# KiCad board Rogelio Pineda part 8-AMLDC-2044B.kicad_pcb (continued)
## Routing (per net, layer and track width the routed paths; a pad name or vN(x,y) marks a point on that pad's centre or on a via; arc(x,y) is an arc through that point) (continued)
M2p6: length 202.3
  Top w0.15: 178.52,68.63 178.5,68.64 ; 178.5,68.64 178.5,71.91 178.51,73.4 178.23,76.15 178.04,77.86 177.83,89.2 177.7,94.91 177.47,98.32 177.27,99.65 177.14,100.54 176.76,104.17 176.79,105.82 176.84,106.76 176.85,107.16 177.41,110.64 177.5,111.89 177.58,112.46 177.57,112.47 177.69,115.57 178.1,121.56 178.03,124.34 178.09,125.51 178.11,126.66 177.86,136.82 178.04,145.48 178.05,145.5 178.05,149.02 178.12,151.6 178.46,161.21 178.72,163.64 178.67,163.69 178.79,165.69 178.59,167.79 178.33,170.36 178.02,175.64 178.05,182.14 178.12,183.16 178.32,190.34 178.43,192.04 178.51,195.08 178.77,196.58 178.87,198.91 179.18,200.34 179.23,201.25 179.39,202.67 179.13,204.83 179.03,206.27 179.08,207.21 179.28,207.83 179.81,208.36 v1(179.81,208.49) ; 178.5,68.64 178.24,66.96 177.82,64.12 177.37,62.1 176.73,59.94 176.35,59.24 v1(176.09,58.04)
  Bottom w0.15: UM2.6 200.85,205.98 200.18,206.64 199.71,207.04 199.11,207.29 197.81,207.54 196.1,207.61 195.9,207.61 192.23,207.68 191.77,207.71 191.27,207.69 186.82,207.74 185.12,207.78 183.77,207.85 182.21,208.13 181.61,208.28 180.88,208.39 180.33,208.41 v1(179.81,208.49) ; 150.71,55.38 150.79,57 151.06,57.33 151.61,57.61 151.85,57.65 152.9,57.78 153.69,57.81 154.74,57.8 156.34,57.81 159.89,57.9 161.08,58.03 163.09,58.35 164.85,58.65 166.69,59.01 167.73,59.12 168.87,59.07 170.12,58.95 172.57,58.36 174.03,57.92 175.37,57.71 v1(176.09,58.04)
M2p9: length 122.9
  Top w0.15: UN5.10 313.53,195.69 313.38,196.43 312.91,197.03 312.81,197.3 312.33,197.77 311.91,197.97 311.47,198.29 310.63,198.63 309.2,199.38 308.36,200.01 307.94,200.73 307.86,200.97 307.49,202.23 307.44,206.34 307.58,207.1 307.86,207.52 308.58,207.62 309.24,207.53 309.56,207.25 309.84,206.83 v1(309.86,206.81) 309.89,206.83 309.96,206.83
  Bottom w0.15: UM2.9 208.78,210.71 211.57,209.35 214.85,208.67 216.7,208.3 219.04,207.82 222.03,207.89 227.35,207.86 228.17,207.81 231.61,207.89 232.68,207.97 234.92,208.11 239.39,208.62 240,208.74 244.74,208.83 247.47,208.78 254.11,208.87 258.19,208.84 258.02,208.8 258.58,208.84 262.36,208.84 262.89,208.77 266.08,208.39 268.17,208.14 269.35,207.86 270.7,207.53 272.92,206.99 274.42,206.85 278.9,206.82 292.82,206.64 308.56,206.81 309.86,206.81 v1(309.86,206.81)
M3p1: length 48.1
  Bottom w0.15: 230.32,206.15 230.39,206.23 230.4,206.23 ; 230.32,206.15 228.82,204.65 UM3.1 ; 230.32,206.15 231.46,206.83 233.66,207 236.37,207.16 237.73,207.52 242.5,207.84 245.27,207.78 252.53,207.71 254.53,207.76 260.95,207.8 262.66,207.68 266.84,207.11 268.8,206.89 269.82,206.72 270.68,206.32 271.22,205.51 UM4.5 UM4.6
M3p4: length 30.1
  Bottom w0.15: UM3.4 237.08,205.26 237.46,205.85 238.24,206.43 240,206.79 242.36,206.8 244.13,206.82 244.83,206.79 254.4,206.71 258.52,206.81 261.05,206.85 261.74,206.86 262.85,206.6 263.62,205.88 263.62,205.63 263.61,205.63 UM4.2
M3p9: length 25.7
  Bottom w0.15: UM4.12 265.8,211.07 265.04,210.68 265.03,210.67 263.75,210.59 262.55,210.57 260.1,210.64 258.47,210.65 254.41,210.76 253.8,210.8 251.84,210.87 248.14,210.72 244.06,210.63 243.55,210.7 242.81,211.04 241.77,211.92 UM3.9
M3p12: length 41.4
  Bottom w0.15: UM4.9 273.36,211.13 273.01,210.83 272.75,210.62 272.13,210.21 270.97,209.97 264.63,209.89 264.15,209.87 262.42,209.82 257.84,209.79 256.35,209.9 255.54,209.84 253.12,209.84 252.42,209.81 251.26,209.88 243.78,209.87 240.59,209.6 239.21,209.51 236.81,210.15 235.57,210.88 235.1,211.31 234.2,211.92 UM3.12
M5p5: length 12.4
  Top w0.15: UM5.5 308.97,204.01 309.12,203.29 309.46,202.5 309.55,202.29 309.81,201.97 310.53,201.19 310.96,200.85 311.22,200.61 312.08,199.93 312.72,199.48 313.55,198.95 313.94,198.64 314.54,198.09 314.79,197.85 315.28,197.29 315.39,197.17 315.97,196.56 316.12,195.64 UN5.9
M5p9: length 121.7
  Top w0.15: 320.5,194.85 320.55,194.8 ; 320.55,194.8 320.34,191.57 320.37,190.83 320.27,187.79 320.11,186.38 320.05,184.76 319.77,182.23 319.47,180.67 319.38,179.54 319.18,178.28 319.09,177.03 318.86,175.71 318.68,174.47 318.57,172.92 318.48,172.08 318.37,166.87 318.14,160.19 317.98,133.68 317.93,132.16 317.92,130.24 317.87,129.31 317.76,124.81 317.81,123.33 317.76,118.17 ; 320.55,194.8 320.63,200.26 320.66,201.14 320.83,207.32 320.56,208.69 320.44,209.6 320.18,210.76 319.79,212.59 319.37,213.65 v1(319.01,214.32)
  Top w0.2: 317.76,118.17 317.58,106.85 318.15,105.99 318.72,105.4 320.39,104.25 v1(320.45,104.25)
  Bottom w0.15: v1(319.01,214.32) 318.93,214.32 318.22,214.51 ; UM5.9 311.2,213.29 311.9,214.28 312.67,214.61 313.16,214.65 313.56,214.66 314.4,214.66 316.5,214.67 318.18,214.52
M6p2: length 5.1
  Bottom w0.15: UM6.2 UM6.3 UM6.4
M6p6: length 42.1
  Bottom w0.15: UM6.6 355.68,203.56 355.87,202.94 356.33,202.43 356.74,202.13 357.15,201.82 357.85,201.4 367.38,200.96 369.01,200.72 369.79,200.54 370.81,200.54 372.73,200.31 373.49,200.29 374.8,200.05 376.76,199.87 381.68,199.48 382.75,199.52 383.7,199.5 384.83,199.47 385.66,199.41 388.93,199.37 389.87,199.1 391.13,198.6 391.98,197.96 393.23,196.5 393.49,196.22 393.88,195.69 UN7.8
M6p8: length 23.3
  Top w0.15: UN6.13 345.66,196.32 346.49,197.8 347.52,198.1 347.77,198.18 348.83,198.33 349.83,198.54 350.51,198.8 351.13,199.2 351.29,199.65 351.45,200.15 351.68,200.96 351.86,202.36 351.95,206.2 352.45,207.1 352.71,207.47 353.35,208.2 353.92,208.61 354.95,209.01 356.46,210.11 356.95,210.52 UM6.8
M6p11: length 2.5
  Bottom w0.15: UM6.11 UM6.10
M7p5: length 122.4
  Top w0.15: 373.42,100.26 v1(373.38,100.51) 373.46,118.04 373.38,119.86 373.5,122.19 373.18,134.42 373.17,135.96 373.08,147.36 373.08,149.54 372.94,161.42 372.97,162.54 373.24,167.83 373.52,169.65 373.57,172.74 373.6,173.68 373.71,176.1 373.73,177.81 373.84,179.69 373.93,183.38 374.11,185.81 374.11,187.57 374.16,189.26 374.21,192.41 374.16,194.17 374.01,199.49 373.96,200.55 373.91,201.5 373.86,202.57 373.76,204.49 373.62,205.13 v1(373.46,205.6)
  Bottom w0.15: v1(373.46,205.6) 374.08,205.67 376.42,205.85 377.15,205.98 378.37,205.99 379.13,206.14 381.23,206.36 382.17,206.41 385.11,206.54 386.75,206.19 387.69,205.25 UM7.5
M7p6: length 9.3
  Top w0.15: UM7.6 392.03,202.9 391.82,202.47 391.52,201.89 390.82,199.74 390.39,198.39 390.05,197.56 389.77,196.87 389.49,196.11 UN7.10
M8p10: length 10.2
  Bottom w0.15: 439.42,213.92 v1(439.38,213.92) 434.45,214.1 433.86,214.18 432.58,214.05 431.74,213.57 431.23,212.92 UM8.10
N0p2: length 289.4
  Top w0.25: 111.88,201.08 111.85,201.05 v1(111.72,201.05) 111.72,200.92 111.71,200.92 111.7,190.83 112.76,189.04 UN0.2
  Bottom w0.15: v1(111.72,201.05) 112.48,200.8 115.44,201.04 121.16,201.3 123.31,201.25 124.19,201.06 126.65,200.57 129.33,199.19 131.54,198.03 135.07,196.34 137.27,195.26 139.97,194.19 144.2,193.71 148,193.52 155.01,193.12 156.98,192.8 160.23,192.38 161.71,192.18 166.13,192.11 168.5,192.65 171.16,193.81 173.37,194.95 175.32,195.94 177.91,196.95 183.7,197.87 184.95,198.09 207.12,198.2 210.8,197.7 213.71,197.55 214.71,197.41 222.13,197.23 224.51,197.69 228.2,198.33 229.92,198.58 234.21,199.34 236.45,199.75 239.02,200.15 241.13,200.33 243.79,200.36 247.38,199.94 251.96,199.11 257.94,199.17 267.51,199.76 280.07,199.69 281.54,200.05 283.97,200.64 285.42,201.05 287.07,201.54 288.91,202.26 289.57,202.25 290.53,202.18 292.82,201.17 294.11,200.75 294.73,200.5 295.55,200.25 296.64,199.91 298.31,199.64 299.32,199.61 310.28,199.28 311.59,199.22 317.21,199.12 317.45,199.09 317.73,199.1 323.99,198.92 325.69,198.89 328.9,198.93 330.09,199.23 332.57,199.45 333.58,199.57 337.81,199.67 338.66,199.65 355.67,199.83 356.59,199.86 363.82,199.88 364.56,199.85 365.18,199.44 367.81,199.37 369.51,199.19 371.95,199 372.64,198.87 375.16,198.6 375.35,198.55 376.74,198.27 378.49,197.83 379.26,197.58 380.15,197.07 380.98,196.32 UN7.13
N0p6: length 108.9
  Top w0.15: UN1.2 151.03,189.08 151.35,189.48 151.39,190.55 151.85,191.91 152.1,194.71 152.21,196.36 152.21,199.2 152.57,200.95 152.96,202.1 UM1.3 152.82,206.12 152.46,207.12 152.28,208.09 152.18,209.24 152.18,210.03 152.2,215.03 152.28,216.02 152.57,217.81 152.86,218.78 UL1.3
  Bottom w0.15: UN2.2 190.78,188.9 190.07,189.73 189.22,190.04 188.18,189.94 ; UN1.2 151.34,186.32 151.34,185.31 ; 151.34,185.31 149.06,185.44 144.57,185.62 140.17,186.36 135.25,187.87 132.52,188.76 127.25,190.34 125.35,190.14 123.98,189.41 UN0.6 ; 151.34,185.31 152.33,185.21 156.12,184.39 157.91,184.21 160.45,183.74 162.25,183.4 164.82,183.39 166.59,183.6 168.3,184.03 170.83,185.07 174.09,186.48 177.2,187.53 179.62,188.43 184.58,189.5 186.86,189.96 187.41,189.91 188.41,189.94
N0p8: length 117.3
  Top w0.15: 154.62,198.26 154.71,197.6 154.71,194.41 154.61,194.32 154.61,191.95 ; 154.61,198.19 154.69,200.85 154.61,201.42 154.83,203.89 154.74,203.99 154.74,205.95 154.54,206.3 154.51,206.37 154.51,208.67 155.05,210.14 UM1.11 155.33,214.12 154.94,215.09 154.76,217.56 154.69,217.63 154.69,222.62 154.58,222.73 154.69,223.26 154.76,225.45 155.58,227.42 UL1.11 ; 154.61,192.09 154.51,190.84 153.86,189.55 153.24,188.89 UN1.3
  Bottom w0.15: UN2.3 193.42,189.26 192.48,190.42 191.18,191 189.43,191.21 185.15,191.22 183.12,191.1 180.54,190.48 178.12,189.46 174.96,188.27 171.7,186.74 169.99,185.97 168.68,185.41 168.03,185.1 166.91,184.64 164.51,184.44 163.73,184.48 162.2,184.59 157.91,185.28 155.67,185.43 154.33,186.08 153.64,186.6 UN1.3 152.87,188.86 152.49,189.24 151.3,189.97 147.8,190.09 147.09,190.05 146.2,190.08 136.73,190.11 135.08,190.12 134.1,190.38 131.28,191.65 129.79,192.76 128.31,193.66 UN0.8
N0p10: length 141.9
  Top w0.15: 161.37,186.14 161.34,186.24 ; 161.34,186.24 161.15,186.72 UN1.6 ; 161.34,186.24 161.72,185.7 162.39,185.32 163.14,185.33 163.26,185.35 163.64,185.5 ; 159.59,223.01 159.08,225.99 158.69,227.12 UL1.10 ; 163.64,185.5 163.51,185.46 ; 163.64,185.5 164.14,185.75 164.81,186.69 164.61,190.67 164.64,191.51 164.58,197.34 163.74,199.12 162.73,200.35 162.18,202.42 162.12,206.44 162.02,206.53 161.96,207.63 161.21,208.48 159.69,210.45 UM1.10 158.69,213.3 159.2,214.89 159.59,216.67 159.72,218.19 159.57,223.17
  Bottom w0.15: UN2.6 201.07,189.19 200.39,190.16 199.17,191.1 197.54,191.53 196.41,191.79 195.28,191.97 193.6,192.13 192.83,192.23 191.73,192.31 184.21,192.3 183.78,192.32 182.98,192.31 179.05,191.89 177.26,191.44 175.48,190.52 174.06,189.71 172.01,188.51 167.92,185.92 164.76,185.32 163.69,185.43 162.78,185.56 162.06,185.79 161.28,186.44 UN1.6 160.89,188.7 159.92,189.54 158.92,190.27 158.35,190.35 155.37,190.63 154.65,190.73 153.89,190.97 152.18,191.08 139.54,191.19 137.99,191.18 135.66,191.27 133.47,192.21 132.7,192.65 127.08,197.76 126.05,198.18 124.72,198.28 122.29,198.09 121.12,197.39 UN0.10
N0p12: length 134.4
  Top w0.15: UN1.7 162.75,189.34 162.31,189.84 162.14,190.15 161.43,190.76 160.91,191.35 159.89,192.15 159.77,193.35 159.46,199.12 ; 159.39,199.17 158.76,200.51 158.49,201.14 157.61,202.31 157.09,203.03 UM1.4 156.78,207.42 157.22,209.04 157.31,210.01 157.24,210.6 157.11,213.52 157.11,215.13 157.15,215.17 157.15,217.34 156.82,218.72 156.47,219.64 155.81,220.46 UL1.4
  Bottom w0.15: 163.75,190.39 162.96,190.35 161.83,190.35 156.54,191.85 152.97,192.25 146.45,192.28 144.89,192.18 136.13,192.53 133.31,193.69 131.9,194.74 127.67,198.5 125.89,199.27 125.39,199.39 121.27,199.31 119.76,198.9 117.93,198.37 116.52,197.65 115.74,196.92 UN0.12 ; 163.75,190.39 164.89,190.43 165.2,190.35 166.82,190.51 168.2,190.55 170.32,190.92 172.86,191.52 176.94,192.55 178.99,193.17 182.12,193.41 183.3,193.36 191.85,193.37 198.55,192.53 201.17,191.92 202.09,191.19 203.08,190.18 203.65,189.15 UN2.7 ; 163.75,190.39 163.61,188.9 ; UN1.7 163.61,187.96 163.61,188.9 ; 163.61,188.9 163.59,188.89
N1p4: length 519.7
  Top w0.15: 253.02,46.3 v1(252.9,46.4) 252.88,46.87 252.44,48.35 251.34,52.58 251.22,53.63 250.83,56.61 250.15,59.48 249.93,61.67 249.71,63.05 249.72,64.98 249.65,66.98 249.83,68.03 249.99,78.9 250.03,78.94 250.03,88.07 250.16,91.33 250.41,100.43 250.39,100.45 250.46,110.21 250.62,116.82 251.01,122.15 251.13,123.28 251.22,124.84 251.17,127.06 250.76,130.09 250.64,131.61 250.58,132.85 250.52,135.29 250.51,139.42 250.49,144.31 250.22,154.81 250.11,160.81 250.49,162.17 250.89,163.61 251.76,166.15 252,168 252.24,169.57 252.27,174.11 252.29,178.03 252.24,180.32 v1(252,183.79) ; 149.45,44.45 v1(149.41,44.51) 153.17,44.67 154.31,44.85 154.39,44.85 154.91,45.32 155.51,46.03 155.63,46.45 155.79,47.76 155.7,50.69 155.75,55.25 ; UW4.13 UW4.4 ; UN4.4 269.1,187.79 269.2,192.5 ; 142.37,195.57 142.37,195.5 v1(142.41,195.46) 142.51,185.84 142.56,184.85 142.52,184.31 142.49,160.79 142.01,159.06 141.29,157.12 140.49,155.67 140.26,154.54 139.8,153.08 139.62,141.47 139.56,140.51 139.45,134.12 139.56,134.01 139.56,115.7 v1(139.61,115.66) 139.56,115.61 139.56,114.9 139.65,112.22 139.78,93.41 140.12,92.4 140.53,91.56 141.07,90.62 140.96,72.79 140.93,70.46 140.87,68.98 140.89,68.08 140.91,67.49 140.85,67.09 140.95,65.91 140.83,65 140.57,64.1 140.17,62.82 139.66,61.59 139.26,60.56 139.24,60.56 139.14,59.75 138.95,59.04 139.01,58.06 138.95,57.54 138.93,57.17 139.1,56.15 139.23,55.28 139.32,54.4 139.39,53.93 139.68,52.9 139.89,51.58 140.09,50.78 140.22,49.95 140.49,48.96 R78.1 ; 156.26,201.47 v1(156.23,201.47) 156.17,199.19 156.08,198.07 155.99,197.31 155.77,196.59 155.78,196.56 UN1.13 155.83,194.34 155.9,192.49 155.93,188.97 UN1.4 ; 269.22,192.33 UN4.13
  Bottom w0.15: R78.1 142.76,46.01 144.85,45.48 147.22,44.83 149.3,44.4 v1(149.41,44.51) ; UT1.8 163.49,116.75 163.54,117.99 162.01,118.5 161.09,118.89 158.46,119.26 156.5,119.46 146.96,119.63 145.67,119.44 144.54,118.99 142.87,117.98 142.3,117.62 141.69,117.06 140.06,115.66 v1(139.61,115.66) ; UW4.4 268.8,46.07 268.25,45.65 267.45,45.1 264.12,45.1 262.14,45.19 260.86,45.29 259.89,45.4 256.66,45.82 255.87,46 255.17,46.22 254.41,46.34 253.76,46.48 v1(252.9,46.4) 252.44,46.54 252.2,46.56 251.19,46.4 248.37,45.97 246.8,45.89 245.41,45.9 240.58,45.76 237.73,45.64 224.67,45.41 224.04,45.28 222.85,45.24 219.36,45.02 217.28,45 208.38,44.73 201.62,44.55 199.86,44.63 195.9,44.99 194.77,45.11 191.9,45.28 189.41,45.29 188.72,45.25 187.64,45.24 185.5,45.08 185.31,45.02 181.56,44.7 174.55,44.59 173,44.56 171.86,44.51 166.11,44.23 161.2,44.39 158.46,45.1 157.06,45.59 155.91,46.75 155.79,47.76 ; UN4.4 268.69,186.32 268.02,185.68 266.65,184.85 265.66,184.51 257.91,184.28 256.4,184.27 253.99,184.36 252.4,184.41 252,183.85 v1(252,183.79) ; v1(142.41,195.46) 143.74,196.61 145.9,197.64 149.04,199.3 151.17,200.24 153.47,200.82 v1(156.23,201.47)
N1p9: length 43.9
  Bottom w0.15: UN1.9 166.65,197.19 168.34,199.21 168.74,199.7 169,200.16 172.98,204.93 174.52,206.86 175.88,208.26 177.17,209.37 179.03,210.15 181.08,210.36 182.53,210.25 185.89,209.41 187.2,208.9 192.89,208.81 194.35,208.75 197.09,208.73 198.91,209.15 199.5,209.65 200.92,210.77 UM2.11
N1p10: length 44.4
  Bottom w0.15: 176.62,210.58 178.09,211.43 179.94,211.89 181.14,212 182.66,211.92 183.91,211.4 184.87,211.17 185.8,210.69 187.92,210.2 189.45,210.12 193.51,209.94 195.32,209.97 197.43,210.03 198.01,210.43 198.52,210.84 UM2.12 ; 176.62,210.58 175.73,209.94 175.38,209.65 174.92,209.1 174.45,208.62 174,208.09 173.28,207.38 172.67,206.54 171.02,204.84 169.91,203.53 166.18,199.73 165.58,199.14 164.84,198.41 164.16,197.79 UN1.10 ; 176.62,210.58 176.49,210.5
N1p15: length 52.8
  Bottom w0.15: UN1.15 151.51,197.34 153.85,198.27 156.37,198.29 160.24,198.26 163.51,199.66 166.75,202.2 167.92,203.01 169.85,205.27 170.45,206.08 173.54,209.6 174.61,210.88 176.15,212.36 178.39,213.89 181.26,214.43 183.27,214.42 192.23,214.31 193.01,214.1 193.8,213.77 193.8,213.2 UM2.14
N1p16: length 58.1
  Bottom w0.15: UM2.13 196.29,212.89 196.36,213.24 195.55,214.24 194.32,215.19 193.1,215.4 185.43,215.56 179.66,215.48 177.95,214.94 175.85,213.85 172.24,210.13 171.15,208.73 168.83,206.11 167.96,205.31 167.4,204.55 165.25,202.48 163.49,201.27 160.53,199.74 153.08,199.26 151.58,198.69 150.37,198 149.64,197.42 UN1.16
N2p9: length 51.4
  Top w0.15: 205.08,151.42 205.04,151.45 ; 205.04,151.45 205.04,148.3 204.72,147.65 204.37,146.61 203.79,145.34 UR2.7 ; 205.04,151.45 205.04,160.1 205.11,160.17 205.11,166.27 205.08,166.3 205.08,176.73 205.18,187.68 205.18,192.24 205.9,194.25 UN2.9
N2p10: length 52.6
  Top w0.15: UN2.10 203.35,194.62 202.91,193.09 202.61,191.89 202.49,189.9 202.51,189.8 202.58,183.64 202.7,183.53 202.63,183.46 202.56,178.48 201.68,176.81 201.05,175.51 199.99,173.47 200.01,171.55 199.85,170.79 199.9,170.74 199.9,163.16 199.85,163.12 199.94,163.02 200.13,160.43 201.12,158.21 201.86,156.52 202.49,154.15 202.49,149.2 202.35,148.22 202.1,147.2 201.72,146.12 201.25,145.43 UR2.6
N2p15: length 52.2
  Top w0.15: UN2.15 191.91,194.23 192.42,190.9 192.53,190.33 192.56,185.94 192.31,184.82 192.07,183.36 190.72,179.93 189.67,175.5 189.24,173.11 189.22,168.36 189.33,162.37 190.31,160.1 190.79,158.83 191.69,157.19 192.39,154.42 192.51,153.34 192.58,150.81 192.6,150.57 192.79,147.63 193.35,146.33 193.51,144.74 UR2.3
N2p16: length 51.9
  Top w0.15: UN2.16 189.13,194.51 189.92,192.49 190.23,188.96 190.18,188.91 190.18,186 190.23,185.95 190.1,184.61 190.02,183.52 189.21,181.21 188.53,179.04 188.27,174.01 188.22,172.47 188.22,167.78 188.29,167.71 188.19,167.6 188.24,159.85 189.11,157.31 189.65,156.14 190,155.06 189.97,152.6 190,151.03 190,147.76 190.65,146.01 UR2.2
N4p9: length 27.7
  Bottom w0.15: UN4.9 280.04,195.86 280.78,195.81 282.67,195.58 283.91,195.26 285.2,193.94 286.85,193.01 288.43,192.03 290.53,190.69 292.11,190.14 293,190.1 293.5,190.06 293.79,190.03 300.98,190.03 301.39,190.04 301.99,189.89 302.66,189.29 302.98,188.85 UN5.3
N4p10: length 33.7
  Bottom w0.15: UN4.10 277.75,194.67 278.65,194.05 279.28,193.85 281.34,193.62 282.8,193.5 284.83,193.24 285.67,192.24 287.15,191.4 289.08,189.96 290.14,189.12 290.98,188.48 292.06,187.84 292.19,187.75 293.08,187.13 293.62,186.79 296.05,185.61 296.99,185.41 297.93,185.36 301.27,185.36 303.24,185.3 304.22,185.44 304.7,185.67 305.02,185.94 305.66,186.53 305.69,186.53 306.4,187.24 UN5.4
N4p15: length 54.3
  Bottom w0.15: UN4.15 263.83,196.19 264.31,197.17 265.05,198.12 266.45,198.77 279.36,198.63 282.04,198.08 283.04,197.65 286.68,195.39 287.69,194.7 287.96,193.9 288.43,193.56 289.28,192.87 290.28,192.16 291.55,191.65 292.72,191.2 302.7,191.23 307.57,191.33 309.1,191.33 309.54,190.96 310.31,189.94 310.65,189.31 310.79,188.81 310.91,188.62 UN5.6
N4p16: length 51.3
  Bottom w0.15: UN5.5 308.94,187.28 308.22,186.37 308.04,186.14 307.3,185.4 306.54,184.8 305.34,184.39 303.89,184.22 302.76,184.19 301.68,184.2 298.29,184.13 297.29,184.16 294.6,184.29 294.38,184.33 293.6,184.51 292.84,184.74 291.39,185.31 289.78,185.81 287.99,186.57 286.07,187.36 284.5,187.93 282.33,188.83 280.56,189.64 279.18,190.26 277.78,190.84 275.78,192.02 273.87,192.66 273.25,192.79 272.23,192.92 271.37,192.89 267.51,193.05 265.94,193.47 264.23,193.62 263.27,194.08 262.51,194.77 UN4.16
N5p11: length 158.8
  Top w0.15: 293.09,53.47 v1(293.06,53.53) 293.2,54.54 293.83,56.31 293.94,57.61 294.13,117.95 294.19,159.87 294.39,186.57 294.29,189.11 293.99,191.48 293.83,192.32 v1(293.65,193.01)
  Bottom w0.15: UN5.11 310.58,194.08 310.3,193.65 309.92,193.24 309.2,192.74 308.41,192.49 303.17,192.44 302.62,192.43 302.61,192.44 297.37,192.33 296.91,192.35 296.25,192.42 295.69,192.44 295.06,192.61 294.66,192.79 294.24,192.89 v1(293.65,193.01)
N5p12: length 174.7
  Top w0.15: 291.79,56.05 v1(291.84,55.97) 292.11,56.05 293.27,59.55 293.57,117.95 293.57,129.93 292.9,177.71 292.2,191.6 291.95,192.99 292.03,194.44 292.03,195.13 v1(292.41,195.51)
  Bottom w0.15: v1(292.41,195.51) 292.62,195.51 293.3,195.54 293.65,195.38 294.17,195.17 294.68,194.96 295.81,194.32 296.74,193.9 297.44,193.69 303.92,193.69 304.62,193.65 306.94,193.67 307.29,193.72 307.8,193.88 308.37,194.29 UN5.12 ; UW4.10 277.49,56.78 278.55,57.33 280.52,57.42 282.44,57.17 283.5,57.01 286.04,56.23 288.38,56.01 291.39,56.33 v1(291.84,55.97)
N5p13: length 189.1
  Top w0.15: v1(290.53,200.35) 290.35,199.32 289.87,197.77 289.72,196.57 289.71,189.36 290.04,182.48 290.22,179.31 290.55,176.07 291.01,168.75 291.12,158.7 291.29,153.22 291.25,147.79 291.4,125.66 291.35,119.49 291.35,107.22 291.33,107.19 291.07,103.81 291.14,100.53 291.3,94.08 291.35,94.03 291.14,90.67 291.21,87.03 291.21,80.46 291.18,80.44 291.18,75.01 291.18,73.8 290.95,68.79 ; 290.54,61.61 290.64,64.82 290.79,66.58 290.97,68.97 ; v1(290.5,61.29) 290.43,61.27
  Bottom w0.15: v1(290.5,61.29) 289.86,61.68 288.71,61.13 285.98,60.19 284.42,59.88 282.34,59.76 279.82,59.74 265.72,59.47 264.9,59.24 263.59,58.36 262.23,56.91 UW4.16 ; v1(290.53,200.35) 290.97,200.31 291.47,200.13 291.88,199.94 292.43,199.66 293,199.47 294.04,198.95 295.46,198.72 298.46,198.6 299.56,198.62 302.02,198.59 302.71,198.56 303.24,198.5 304.18,198.42 305.46,197.61 305.46,197.59 305.71,197.22 306.11,196.69 UN5.13
N5p14: length 182.1
  Top w0.15: v1(291.75,197.49) 291.27,196.26 291.16,195.27 291.31,193.94 291.27,191.94 291.6,187.76 292.03,176.72 292.69,145.97 292.75,122.53 292.68,117.29 292.58,65.61 292.54,62.81 292.42,61.79 292.23,60.69 292.2,60.09 v1(291.65,58.79) 291.65,58.77
  Bottom w0.15: 264.25,54.8 264.31,56.17 264.63,57.03 264.93,57.49 265.98,57.93 268.72,58.05 270.51,58.05 277.42,58.19 279.5,58.31 284.82,58.29 284.96,58.27 286.34,58.22 288.28,58.3 289.26,58.38 291.11,59.11 v1(291.65,58.79) ; UN5.14 303.33,196.44 301.83,197.36 300.68,197.67 299.85,197.72 297.34,197.67 293.33,197.75 292.34,197.7 v1(291.75,197.49)
N6p3: length 2.5
  Bottom w0.15: UN6.3 UN6.4
N6p5: length 80.2
  Top w0.15: v1(364.06,190.3) 364.15,189.91 364.18,187.61 364.24,186.24 364.23,177.83 364.27,176.89 364.23,167.94 364.22,165.87 364.25,164.93 364.34,156.49 364.32,156.48 364.32,150.59 364.28,147.07 364.35,144.31 364.36,141.94 364.46,138.51 364.43,137.72 364.54,134.36 364.59,133.53 364.61,132.76 364.64,131.58 v1(364.78,122.76)
  Bottom w0.15: v1(364.06,190.3) 363.27,190.45 362.88,190.49 362.29,190.48 358.72,190.42 357.67,190.07 356.72,189.67 355.63,188.58 UN6.6 UN6.5
N6p10: length 11.1
  Top w0.15: UN6.2 345.47,187.72 346.43,188.91 347.29,189.68 347.63,189.86 349.15,190.76 350.25,191.3 351.54,192.51 351.73,192.93 352.44,194.01 UN6.10
N7p12: length 29.2
  Top w0.15: UL7.6 391.95,218.97 391.53,218.19 391.51,217.6 391.3,216.67 390.75,215.29 390.69,214.58 390.69,207.87 390.59,207.33 390.77,203.66 390.57,203.43 390.29,202.37 389.84,201.38 389.59,200.64 389.25,200.02 388.72,199.09 387.94,197.79 387.62,197.06 387.13,196 UN7.11
  Bottom w0.15: UN7.12 UN7.11
P0p1: length 279.7
  Top w0.15: v1(219.99,159.42) 219.61,159.95 219.51,162.48 219.9,163.91 220.35,165.23 220.55,168.41 220.66,177.13 220.46,179.36 219.83,195.78 219.74,197.24 v1(219.55,202.28)
  Bottom w0.15: 292.57,203.83 293.2,203.58 294.18,203.1 295.31,202.9 296.33,202.64 297.72,202.49 299.13,202.47 302.14,202.43 305.69,201.7 307.36,201.38 310.9,201.04 314.64,200.99 315.73,200.9 316.32,200.84 328.23,200.81 328.25,200.83 332.49,201.19 334.57,201.56 337.91,202.6 340.58,203.49 341.85,203.85 UM6.1 ; 292.57,203.83 291.34,204.08 290.28,204.35 288.56,204.51 287.24,204.41 283.96,203.35 280.42,202.21 277.46,201.91 276.59,201.89 275.48,201.81 271.04,201.72 269.45,201.74 262.93,201.66 260.82,201.68 250.01,201.38 247.85,201.9 244.49,202.28 243.54,202.27 237.17,201.82 235.81,201.53 234.19,201.47 232.32,201.76 231.1,201.96 229.55,202.22 227,202.48 225.82,202.7 223.88,202.98 222.25,202.96 220.74,202.63 v1(219.55,202.28) ; 292.57,203.83 292.66,203.82 ; UP0.1 110.4,162.04 112.93,159.63 116.05,158.7 119.79,159 124.61,159.7 125.69,159.7 128.56,159.82 136.26,159.74 142.61,158.32 145.81,157.85 147.18,157.77 156.4,157.81 157.41,157.88 159.23,158.09 159.76,158.17 161.25,158.38 162.48,158.7 165.41,159.02 167.1,159.26 172.16,159.67 173.54,159.76 178.17,159.76 178.75,159.76 179.64,159.79 180.96,159.64 181.6,159.52 218.63,159.41 v1(219.99,159.42)
P0p4: length 332.2
  Top w0.15: 220.8,210.82 v1(221.18,213.69) ; v1(221.18,161.42) 221.18,162 221.62,162.44 221.5,173.56 221.45,174.94 221.43,176.3 221.4,183.2 221.31,184.53 221.23,185.09 221.21,197.71 220.97,198.52 221.11,201.79 221.01,203.59 220.82,210.97
  Bottom w0.15: v1(221.18,161.42) 220.17,161.46 217.4,161.49 216.19,161.59 214.77,161.49 212.4,161.28 208.81,160.64 202.35,160.72 201.82,160.67 200.42,160.73 188.47,160.54 188.45,160.56 185.84,160.62 184.5,160.73 180.59,160.86 178.98,160.94 175.98,161 173.68,161.07 171.56,160.96 170.95,160.95 169.13,160.76 168.6,160.7 168.07,160.59 165.89,160.35 164.63,160.11 160.28,159.55 157.19,158.88 148.24,158.97 144.63,159.41 138.34,161.04 134.28,162.66 130.14,164.06 127.33,165 121.74,164.92 120,164.74 118.71,163.74 UP0.4 ; v1(221.18,213.69) 222.09,213.69 222.85,214 225.44,214.4 226.8,214.35 233.31,214.34 234.88,214.27 242.21,214.29 246.87,214.48 247.76,214.58 251.3,214.9 252.79,214.92 257.27,215.16 258.79,215.15 266.44,215.3 273.27,215.59 280.7,215.39 283.3,214.77 284.2,213.76 285.59,212.82 287.76,211.58 290.47,210.1 291.58,209.78 292.31,209.74 293.81,209.44 295.65,209.44 296.5,209.43 298.68,209.48 312.73,209.85 326.1,209.43 327.31,209.41 329.16,209.41 330.4,209.44 331.56,209.57 332.14,209.59 333.16,209.79 334.87,209.98 336.21,209.82 338.31,209.54 339.74,209.28 341.64,209.09 343.98,208.74 345.06,208.58 349.52,208.32 350.96,208.15 352.19,208.04 352.91,208.02 356.19,207.92 358.04,207.9 359.19,207.87 360.42,207.74 365.1,207.57 365.47,207.56 366.2,207.56 367.25,207.24 369.19,207.24 374.31,207.2 379.35,207.34 380.16,207.42 381.14,207.43 383.97,207.84 385.64,208.13 388.49,208.53 389.86,209.22 390.88,210.09 391.22,210.43 UM7.9
P0p9: length 319.3
  Top w0.15: v1(219.09,168.59) 219.22,169.56 219.33,170.55 219.29,171.4 219.38,172.82 219.38,174.86 218.84,189.52 218.73,190.84 218.56,197.53 217.83,202.89 218.64,209.33 218.76,212.96 218.7,213.6 v1(218.79,214.97)
  Bottom w0.15: 294.09,215.23 304.83,215.23 304.88,215.25 305.52,215.28 307.79,215.47 309.12,215.4 311.85,215.54 313.65,215.69 317.36,216.01 321.02,216.29 322.5,216.41 328.38,216.87 333.57,217.03 339.88,217.2 350.64,216.94 352.35,216.92 355.27,216.9 358.31,216.85 362.51,216.69 363.93,216.6 369.87,216.66 372.74,216.57 376.57,216.63 383.64,216.89 384.82,216.93 385.88,216.96 386.6,217.09 387.51,217.46 388.48,218.36 UL7.5 ; 294.09,215.23 291.58,215.3 288.02,215.99 286.76,216.07 280.32,216.62 258.95,216.37 257.27,216.34 255.12,216.27 247.14,216.02 245.57,215.82 240.82,215.41 239.57,215.39 238.17,215.37 234.14,215.43 232.8,215.47 223.24,215.43 221.15,215.42 220.18,215.28 v1(218.79,214.97) ; 294.09,215.23 294.38,215.23 ; v1(219.09,168.59) 219.09,168.84 218.33,168.86 217.23,168.56 216.6,168.33 213.69,167.5 210.85,166.77 206.36,165.88 202.99,165.99 197.76,167.12 195.88,167.26 193.11,167.2 189.82,167.33 187.1,169.38 185.73,169.97 185.16,170.12 182.64,170.26 180.44,169.78 175.82,168.45 173.23,166.57 172.41,166.21 168.11,166.82 164.09,166.91 160.83,167.01 157.45,166.99 154.9,167.02 150.55,166.98 145.16,167.09 142.21,168.22 139.42,169.37 133.08,169.16 131.28,168.6 127.41,168.27 126.49,168.19 125.5,168.32 124.38,168.73 UP0.9
P1p3: length 15.1
  Bottom w0.15: UP1.3 153.02,163.59 152.41,163.88 152.19,163.98 150.97,164.65 149.67,164.68 145.76,164.7 144.39,164.79 142.18,165.02 141.51,165.04 JP8.2
P1p6: length 23.3
  Bottom w0.15: JP7.2 140.58,167.35 141.82,166.9 142.46,166.76 ; UP1.6 160.33,163.91 158.43,165.3 156.92,165.55 154.43,165.66 151.97,165.79 150.56,165.79 148.8,165.68 147.7,165.76 147.18,165.81 145.41,165.89 143.53,166.37 142.46,166.76
P2p1: length 124.5
  Top w0.15: v1(181.78,56.63) 181.58,56.63 180.53,57.98 181,60.69 181.2,61.72 181.6,63.32 181.66,64.68 181.3,80.8 181.37,81.61 181.31,82.99 180.91,96.88 180.3,101.99 180.07,104.71 180.18,106.16 180.28,106.7 180.66,109.73 181.06,111.64 181.09,113.63 181.09,114.53 181.26,120.15 181.26,126.59 181.31,144.97 181.33,146.28 181.33,152.57 181.75,160.77 181.99,162.12 v1(182.4,162.83)
  Bottom w0.15: UW2.16 188.04,55.04 187.61,54.94 186.69,54.63 185.53,54.43 184.54,54.34 183.59,54.45 182.79,54.81 182.08,55.58 v1(181.78,56.63) ; 189.19,162.46 184.15,162.54 183.48,162.63 182.97,162.83 v1(182.4,162.83) ; 189.19,162.46 189.39,162.46 ; 189.19,162.46 189.93,162.46 190.21,162.44 UP2.1
P2p3: length 128.4
  Top w0.15: v1(183.93,148.62) 184.04,145.72 183.99,139.52 183.72,127.82 183.72,126.76 183.74,125.15 183.5,114.77 183.45,112.28 183.42,110.8 183.51,110.09 183.51,104.46 183.44,104.39 183.51,104.32 183.6,94.44 183.66,93.24 183.7,91.49 183.72,89.55 183.8,86.84 183.77,85.29 183.83,82.98 183.92,78.3 183.95,77.67 183.95,69.81 183.99,68.28 184.13,64.09 184.16,62.45 184.16,59.43 184.1,58.16 183.85,57.6 v1(183.85,56.99) ; 197.23,148.47 197.3,148.54 v1(197.3,148.57) 197.33,148.57 197.43,148.67 197.43,149.58 197.46,149.62 197.46,152.86 197.43,152.9 197.43,159.29 196.92,161.21 UP2.3
  Bottom w0.15: UW2.15 190.91,56.87 189.88,57.46 189.38,57.77 188.7,57.9 187.7,57.86 184.92,57.03 v1(183.85,56.99) ; v1(183.93,148.62) 184.58,148.62 185.84,148.5 186.62,148.47 187.12,148.5 188.16,148.59 189.98,148.52 191.24,148.56 193.27,148.56 193.83,148.57 v1(197.3,148.57)
P2p5: length 10.5
  Top w0.15: UP2.5 201.82,160.6 202.78,159.04 203.33,156.81 203.56,156.28 UR2.10
P2p11: length 32
  Top w0.15: 197.68,161.48 197.45,162.87 197.49,162.91 197.49,167.2 197.76,167.83 UP2.11 ; 199.91,148.82 v1(199.91,149.06) 199.91,157 197.65,161.4
  Bottom w0.15: UR2.15 191.54,151.22 192.34,150.72 192.68,150.42 193.53,150.36 194.28,150.31 196.69,150.32 198.69,149.97 199.91,149.13 v1(199.91,149.06)
P2p13: length 23.3
  Top w0.15: UP2.13 194.15,168.72 194.52,167.3 194.93,166.28 v1(195,155.2) 195.06,155.03
  Bottom w0.15: v1(195,155.2) 193.86,155.44 192.89,155.5 191.59,155.4 190.44,155.19 189.39,154.21 UR2.16
P3p1: length 166.6
  Top w0.15: v1(334.1,128.14) 333.9,128.84 333.65,130.36 333.5,132.03 333.31,133.02 333.19,135.75 333.22,135.79 333.11,143.31 333.62,144.82 333.96,145.96 334.41,146.83 334.69,147.9 334.81,148.65 334.81,151.77 334.66,152.64 334.63,153.28 334.48,154.03 334.36,155.24 334.2,155.91 v1(333.96,156.71)
  Bottom w0.15: UP3.1 228.92,163.24 230.98,164.63 232.48,165.06 234.18,165.3 237.7,165.62 239.53,165.67 247.86,165.78 252.93,165.74 264.02,165.92 270.85,165.88 273.72,165.97 292.41,165.81 293.82,165.77 298.42,165.77 299.22,165.79 300.33,165.51 301.15,165.29 302.82,164.74 305.16,163.6 UP5.4 306.35,161.32 306.99,160.68 324.92,160.64 326.71,160.57 327.43,160.54 329.19,160.52 329.94,160.2 330.63,159.83 331.81,158.91 332.93,157.9 333.94,156.71 v1(333.96,156.71) ; v1(334.1,128.14) 334.61,128.36 335.64,128.71 336.63,129.1 337.23,129.42 337.93,129.67 338.26,129.75 339.79,130.23 341.72,130.22 342.95,130.19 344.64,130.19 345.6,130.29 346.43,130.33 346.93,130.36 347.74,130.36 ; 347.74,130.36 348.77,130.55 349.97,130.95 351.12,131.28 352.3,131.79 353.56,132.74 353.75,132.97 354.16,133.44 354.39,133.69 354.55,133.99 354.61,134.04 354.98,134.57 US6.9 ; 347.74,130.36 347.74,128.83 US6.3 347.78,128.81
P3p4: length 129.6
  Top w0.15: UP5.2 301.39,163.25 301.94,164.3 302.47,164.98 302.91,165.52 304.21,166.81 304.47,167.02 v1(304.76,167.44) 304.84,167.44 304.85,167.45
  Bottom w0.15: 348,165.15 348,163.08 ; 348,165.15 347.27,165.18 346,164.83 344.8,164.67 344.35,164.6 341.42,164.6 340.43,164.81 337.65,165.28 336.57,165.4 335.45,165.37 333.5,165.07 331.78,164.74 330.43,164.74 330.4,164.72 328.56,164.7 326.51,165.25 324.94,165.62 323.44,165.76 317.92,165.76 315.74,166.45 315.18,166.51 313.56,166.86 312.83,166.95 311.87,166.8 311.06,166.39 309.99,166.16 308.02,166.16 307.46,166.26 306.32,166.54 305.02,167.03 v1(304.76,167.44) ; 348,165.15 348.75,165.44 349.81,165.98 351.26,166.42 353.19,167.41 353.79,167.83 354.7,168.38 355.08,168.66 UP6.9 ; UP5.2 300.71,163.2 300.28,163.71 299.24,164.62 298.9,164.67 292.74,164.65 282.01,164.85 277.15,164.81 248.14,164.53 243.72,164.55 238.37,164.51 237.02,163.35 UP3.4 ; 348.01,163.08 UP6.3
P3p12: length 151.5
  Top w0.15: 335.94,156.02 336.09,155.22 335.74,146.56 ; 335.96,155.99 335.8,156.8 335.43,157.53 335.09,158.55 334.68,159.4 334.68,160 334.86,161.24 335.08,162.05 v1(335.43,163.55) ; 335.76,146.52 v1(335.49,144.22)
  Bottom w0.15: 347.79,146.13 347.28,146.02 346.28,145.96 344.68,145.82 344.09,145.82 343.56,145.76 342.54,145.79 341.92,145.8 340.03,145.55 339.05,145.36 337.03,144.94 335.79,144.7 v1(335.49,144.22) ; 347.79,146.13 348.95,146.13 ; 347.79,146.13 UR6.3 ; UR6.9 355.31,149.84 355.14,149.38 354.95,149.03 354.75,148.8 354.5,148.47 353.95,147.76 353.35,147.24 352.06,146.72 350.71,146.38 349.5,146.16 348.95,146.13 ; v1(335.43,163.55) 335.4,163.55 334.51,163.63 328.59,163.63 327.7,163.75 327.15,163.85 325.57,164.18 324.64,164.46 323.94,164.55 320.14,164.78 318.68,164.71 316.1,165.24 314.59,165.71 313.91,165.79 312.61,165.89 311.37,165.49 310.41,165.15 309.71,164.6 308.89,163.78 UP5.5 308.06,163.21 307.75,163.73 306.79,164.45 304.99,165.28 303.29,165.92 301.93,166.31 300.72,166.75 299.96,166.86 299.63,166.92 298.67,166.92 291.59,166.99 280.88,167.5 259.27,167.04 239.11,167.15 237,167.79 235.77,168.34 UP3.12 ; 348.95,146.13 348.97,146.15
P4p3: length 105
  Top w0.15: 329.21,114.51 329.28,114.57 v1(329.15,114.64) 329.28,117.36 329.04,123.13 328.84,128.13 328.82,130.07 328.78,134.81 328.81,136.07 329.02,141.97 329.12,143.22 329.31,149.68 329.34,149.71 329.34,153.55 329.4,153.81
  Bottom w0.15: UP4.3 267.8,161.09 269.71,158.89 272.33,158.14 275.58,157.23 277.33,157.11 278.91,156.88 281.95,156.61 285.93,156.47 293.33,156.5 ; 293.33,156.5 293.51,156.51 ; 293.33,156.5 294.74,156.56 295.69,156.6 298.14,156.76 298.9,156.81 299.68,156.86 300.34,156.96 301.34,157.01 304.37,157.1 308.02,157.35 310.35,157.62 311.48,157.84 312.37,157.81 314.19,157.68 315.95,157.34 318.31,156.55 320.84,155.62 323.5,154.78 326.41,154.34 327.55,154.17 v1(329.32,153.91) 329.34,154
P5p8: length 53.3
  Top w0.15: v1(308.45,123.1) 308.88,124 309.04,125.49 309.39,128.22 309.51,129.76 309.61,130.77 309.7,132.31 309.84,133.83 309.96,136.71 309.96,137.18 309.98,137.67 309.91,142.21 309.91,142.78 309.98,149.79 309.96,149.81 309.99,156.11 310.03,164.49 309.84,165.49 309.63,165.98 309.45,166.24 309.45,166.26 309.28,166.48 308.94,166.79 308.26,167.32 307.49,167.93 v1(307.49,167.93)
  Bottom w0.15: v1(307.49,167.93) 308.26,167.76 308.46,167.7 308.74,167.62 311.07,167.72 311.41,167.92 311.94,168.18 312.46,168.6 313.13,169.11 UP5.8
P5p9: length 92
  Top w0.15: UP5.9 311.29,170.99 311.27,171.3 310.97,176.26 311.08,176.66 v1(311.08,176.71) 311.04,176.71 311.11,176.64 ; UP7.12 384.31,168.83 382.5,167.02 382.1,166.66 381.78,166.25 381.3,165.72 380.26,164.07 380.08,163.41 UP7.1
  Bottom w0.15: 376.14,173.56 380.51,173.23 381.86,172.88 382.64,172.2 383.07,171.8 383.66,170.75 UP7.12 ; 376.14,173.56 376.42,173.54 ; 376.14,173.56 375.07,173.62 372.03,173.8 370.8,173.87 366.52,174.11 364.38,174.3 358.51,174.97 356.56,175.22 354.91,175.27 354.16,175.32 353.28,175.4 349.27,175.46 347.89,175.56 346,175.69 344.89,175.65 336.09,175.97 333.97,176.16 332,176.3 331.34,176.34 330.33,176.36 327.96,176.78 327.7,176.74 327.46,176.84 325.15,177.04 324.52,177.16 323.39,177.15 322.93,177.09 311.92,177.09 311.54,176.71 v1(311.08,176.71)
P5p10: length 110.1
  Top w0.15: UR7.14 379.65,151.72 380.16,152.84 380.47,153.64 381.97,156.28 382.39,157.14 383.2,159.01 383.15,163.33 383.58,164.3 383.65,164.59 384.09,165.2 384.48,165.75 385.13,166.47 385.37,166.84 386.27,168.14 UP7.11 ; UP5.10 308.66,171.14 308.62,172.19 308.62,173.8 v1(308.54,176.64) 308.47,176.66
  Bottom w0.15: 377.15,174.58 380.2,174.38 381.24,174.3 383.65,173.76 384.37,173.27 384.77,172.85 385.37,172.02 386.12,170.98 386.31,170.25 UP7.11 ; 377.15,174.58 375.56,174.68 373.85,174.89 372.83,174.89 370.85,175.02 370.09,175.04 369.06,175.08 367.84,175.19 366.14,175.29 364.68,175.41 364,175.88 363.9,175.87 360.84,176.04 359.26,176.18 352.07,176.54 351.21,176.59 349.85,176.55 344.56,176.66 342.78,176.75 336.64,177.11 335.46,177.14 332.96,177.43 332.29,177.45 329.75,177.72 329.29,177.77 328.06,177.86 326.97,178.04 322.6,178.23 320.64,178.31 318.47,178.38 317.03,178.44 312.03,178.6 310.27,178.65 ; 377.15,174.58 377.44,174.56 ; v1(308.54,176.64) 308.73,177.54 309.31,178.12 309.55,178.22 310.35,178.64
P5p12: length 99.2
  Top w0.15: UP5.12 303.81,171.32 303.94,171.86 303.84,173.59 303.74,174.11 303.66,174.93 303.66,176.66 v1(303.59,176.66) 303.59,176.73 303.64,176.69
  Bottom w0.15: v1(303.59,176.66) 303.59,176.85 304,177.4 306.04,178.14 306.56,178.35 307.9,178.85 308.35,179 308.58,179.06 309.08,179.21 309.72,179.42 310.33,179.62 311.01,179.8 311.87,179.92 ; 311.87,179.92 311.91,179.92 ; 311.87,179.92 314.92,179.88 316.33,179.7 320.41,179.47 322.18,179.31 327.74,179.06 328.99,178.99 330.28,178.95 331.23,178.88 334.52,178.68 335.25,178.68 336,178.6 337.48,178.55 338.55,178.54 342.92,178.29 344.21,178.22 348.54,177.98 349.98,177.88 350.72,177.84 352.42,177.77 355.45,177.55 358.89,177.44 361.4,177.18 364.32,177.01 366.15,176.87 370.65,176.19 371.8,176.14 372.43,176.14 374.08,176.02 376.64,175.74 379.88,175.54 382.79,175.25 384.18,175.3 387.82,174.77 388.84,174.29 389.51,173.66 390.01,173.13 390.54,172.34 390.98,171.48 UP7.9
P5p13: length 106
  Top w0.15: 301.05,176.94 301.05,176.8 v1(301.02,176.78) 301.05,176.75 301.2,172.55 301.32,171.49 301.27,171.3 UP5.13
  Bottom w0.15: v1(301.02,176.78) 301.02,177.12 301.46,177.65 301.72,177.92 302.24,178.36 302.68,178.64 304.9,179.42 306.18,179.76 307.39,180.17 309.49,180.71 311.73,181.03 312.77,180.96 315.42,180.93 316.72,180.93 321.15,180.82 324.41,180.59 329.77,180.21 331.78,180.03 338.73,179.69 341.49,179.52 343.65,179.35 344.32,179.3 347.32,179.17 348.31,179.09 353.55,178.73 354.87,178.64 359.88,178.45 361.06,178.28 363.93,178.16 364.71,177.68 366.11,177.6 367.87,177.46 368.95,177.42 370.09,177.32 371.29,177.3 372.07,177.18 373.94,177.03 375.86,176.96 376.14,176.95 ; 376.14,176.95 380.57,176.67 381.38,176.68 385.14,176.44 385.82,176.38 388.75,176.16 390.02,175.77 390.99,175.13 392.29,173.69 392.81,172.9 393.49,171.46 393.66,170.83 UP7.8 ; 376.14,176.95 376.64,176.92
P6p12: length 81.9
  Top w0.15: UP6.12 347.96,169.45 348.69,168.89 349.46,167.39 350.2,166.34 350.48,165.9 351.34,164.65 352.3,163.11 UP6.5 ; v1(337.95,158.97) 337.95,158.21 338.22,157.94 338.22,117.79 v1(337.87,103.12) 337.86,103.03
  Bottom w0.15: v1(337.95,158.97) 340.58,158.94 341.31,158.98 345.34,158.95 346.91,158.96 349.98,158.96 352.01,159.83 352.59,160.95 UP6.5
P6p13: length 81.5
  Bottom w0.15: 293.59,175.3 293.81,175.29 ; 293.59,175.3 292.39,175.33 287.35,175.61 286.85,175.53 282,174.8 275.33,174.7 273.66,174.7 272.25,174.38 270.74,172.97 269.69,171.6 268.8,170.67 UP4.13 ; 293.59,175.3 305.41,175.22 306.55,175.18 315.1,175.09 315.67,175.06 316.35,175.05 317.42,174.94 319.73,174.73 322.13,174.06 323.14,173.53 324.02,173 326.35,171.59 327.97,171.03 330.2,170.34 332.58,169.86 334.89,169.35 338.92,168.4 339.97,168.15 342.1,168.03 343.57,167.94 344.36,168.11 344.89,168.38 UP6.13
P7p3: length 64.7
  Top w0.15: US7.3 384.89,125.72 385.2,125.04 385.59,123.31 386.02,119.42 385.92,113.94 385.31,111.22 385.07,110.01 384.91,109 384.64,107.83 ; US7.3 384.78,128.84 385.56,129.96 386.05,130.69 386.74,131.77 387.44,132.82 387.78,133.55 388.06,136.75 387.99,137.14 387.99,137.95 387.51,139.04 387.35,139.39 386.5,140.12 385.88,140.71 385.48,141.03 385.18,141.32 384.77,141.74 UR7.3 384.95,144.56 385.39,145.18 385.55,145.4 385.94,146 386.48,146.72 387.31,148.18 387.97,149.35 388.04,154.7 387.87,155.27 387.62,156.65 387.16,157.56 386.4,158.78 385.81,159.61 385.11,160.66 384.31,161.44 384.31,161.9 ; US7.3 384.11,128.19
  Bottom w0.15: UR7.3 UR7.2 ; US7.3 US7.2
Q1p1: length 20.7
  Top w0.15: R24.2 426.4,163.63 426.47,164.25 426.88,164.92 R23.1 425.86,166.71 425.01,168.48 424.82,168.95 424.14,170.57 423.6,171.75 C8.2 422.78,173.3 C9.1 419.23,176.19 419.35,176.31 419.35,177.09 Q1.1
Q1p2: length 22.3
  Top w0.15: Q1.2 417.61,178.33 417.97,178.8 418.96,179.83 419.99,181.1 420.46,181.95 420.74,182.55 420.91,183.24 421.34,184.18 421.98,185.51 422.39,186.22 422.75,186.95 ; R20.1 418.06,188.19 419.39,187.78 420.59,187.29 422.75,186.95 ; 422.75,186.95 423.18,186.77 423.69,186.2 425.53,185.21 R21.2
Q1p3: length 61.2
  Top w0.15: Q1.3 415.4,179.34 414.82,178.43 414.28,176.79 414.13,176.35 C9.2 412.88,170.68 R25.1 414.06,168.88 416.25,166.69 416.25,148.18 416.35,148.08 v1(416.48,148.08) 416.48,147.95 416.53,147.9 422.43,147.9
  Bottom w0.15: R22.1 431.76,154.17 431.03,153.79 429.27,152.99 426.25,151.84 424.33,150.92 423.83,150.43 422.93,149.63 Y1.1 416.62,147.94 v1(416.48,148.08)
R0p1: length 55.4
  Bottom w0.15: UR0.1 110.55,145.22 113.57,147.73 117.2,148.23 125.72,148.12 139.43,148.27 147.15,149.01 155.19,149.56 156.34,149.6 160.24,149.91 161.52,150.33 161.99,150.64 162.71,151.14 UR1.10
R0p4: length 51.7
  Bottom w0.15: 165.02,151.1 UR1.9 164.6,150.66 163.71,150.18 162.64,149.5 160.84,148.73 155.91,148.32 154.22,148.21 153.05,148.13 149.61,147.87 146.3,147.59 145.08,147.49 141.46,147.28 139.18,147.18 130.96,146.89 120.31,146.87 118.53,145.96 UR0.4
R0p9: length 26
  Bottom w0.15: UR1.16 147.04,152.37 146.22,152.28 144.23,152.19 143.02,152.15 140.44,151.94 139.32,151.83 136.71,151.59 131.5,150.76 128.01,150.49 127.14,150.47 125.39,150.5 124.16,150.69 123.5,151.16 UR0.9
R0p12: length 36.8
  Bottom w0.15: UR0.12 117.08,150.76 120.82,150 121.91,149.85 125.06,149.37 127,149.39 127.48,149.41 128.58,149.37 129.84,149.36 138.92,149.65 140.44,149.66 144.52,149.94 147.36,150.14 149.57,150.52 150.74,151.67 UR1.15
R0p13: length 301.7
  Top w0.15: 173.2,121.59 v1(173.1,121.65) 173.45,122.31 173.28,123.26 173.45,124 173.59,124.52 173.85,125.4 174,126.72 ; US3.5 US3.10 238.82,142.96 239.08,143.21 UR3.5 238.9,147.46 238.92,148.02 UR3.10 ; 172.76,165.49 172.76,167.52 R85.1 ; 172.76,165.49 172.76,165.57 ; 172.76,165.49 172.87,161.09 173.56,156.74 173.86,155.13 174,153.99 174,126.72 ; UR3.13 231.46,150.76 231.57,150.65 231.46,150.53 UR3.2 231.46,143.05 231.61,142.9 231.61,136.62 231.68,136.55 231.2,136.08 US3.13 231.67,134.91 231.67,134.51 231.64,133.78 231.55,129.96 US3.2 ; 174,126.72 174,126.54
  Top w0.25: 120.71,142.33 UR0.5 UR0.10 ; 120.71,142.33 120.64,142.26 113.09,142.26 ; 120.71,142.33 120.71,135.47 US0.10 US0.5 ; 113.09,142.26 UR0.2 UR0.13 ; 113.09,142.26 113.09,135.47 US0.13 US0.2
  Bottom w0.15: UP1.8 164.41,170.47 166.9,171.08 169.28,171.6 172.38,172.04 174.08,172.04 174.47,171.74 174.69,171.29 174.86,170.83 174.69,169.48 174.64,169.2 174.16,168.64 173.11,167.95 R85.1 ; UR3.5 238.91,143.58 238.58,142.91 238.1,142.5 237.56,142.2 236.93,142.12 234.33,142.19 232.94,142.62 232.45,143 232.16,143.38 UR3.2 ; US0.5 121.15,126.91 121.77,126.24 122.53,125.83 123.25,125.55 125.4,125.37 128.16,125.57 128.55,125.72 130.27,125.83 133.48,125.98 134.64,125.99 138.39,126.13 143.05,126.26 147.6,126.17 152.43,126.06 153.33,125.91 154.68,124.87 156.85,123.72 158.56,123.6 160.52,123.52 164.96,123.18 168.88,122.84 171.19,122.48 172.13,122.26 172.62,122.13 v1(173.1,121.65) 173.97,121.35 175.57,120.48 177.54,119.35 180.74,117.49 182.93,116.28 185.74,114.77 188.54,114.44 193.08,114.49 203.43,114.71 205.65,114.72 206.51,114.9 207.29,115 208.5,115.5 210.94,117.05 212.39,118.09 214.84,119.92 215.9,120.64 218.44,122.69 219.23,123.26 220.53,124.34 224.85,128.21 225.85,128.97 229.32,132.73 230.1,133.67 230.35,134.05 US3.13
R1p2: length 60.1
  Bottom w0.15: UR1.2 151.47,143.13 152.9,142.05 154.24,141.91 155.98,141.92 157.21,141.86 158.42,141.89 163.14,141.81 164.58,141.58 166.72,141.17 169.06,140.36 170.81,139.25 172.27,137.46 175.29,133.69 176.98,131.29 178.76,128.97 179.3,128.28 179.54,128.14 180.7,126.74 182.08,125.87 183.96,125.41 197.8,125.36 199.39,125.83 200.5,126.42 201.16,127.11 200.89,127.76 US2.6
R1p3: length 52.5
  Bottom w0.15: US2.4 195.8,129.68 193.96,131.23 187.53,131.47 186.27,131.75 184.59,131.95 181.12,133.86 180.51,134.25 177.47,136.84 175.55,138.94 172.49,142.58 169.96,145.87 169.15,146.68 168.21,147.27 166.16,148.07 163.63,147.92 162.59,147.71 161.33,147.59 160.83,147.56 160.01,147.6 159.45,147.57 158.39,147.51 157.1,147.44 156.24,147.19 154.85,146.5 153.91,145.55 UR1.3
R1p4: length 264.1
  Top w0.15: v1(250.14,187.11) 250.47,185.42 250.25,182.56 251.31,173.89 251.42,171.78 251.08,167.71 249.91,164.85 249.12,160.97 249.35,141.99 249.24,132.95 249.24,126.87 v1(249.18,122.92) ; US1.4 US1.13 155.82,135.67 UR1.4 UR1.13 ; US1.4 155.54,127.77 ; US1.4 155.5,127.73 155.51,127.25 155.34,126.82 154.79,126.27 153.86,125.48 153.58,125.29 152.85,124.81 152.34,124.29 152.31,124.29 v1(152.28,124.32) 152.25,124.29 152.18,124.29 ; 266.49,123.7 266.43,123.64 v1(266.43,123.74) 266.52,124.02 267.29,124.94 267.99,125.87 268.9,126.9 US4.4 US4.13 268.76,135.56 UR4.4 268.82,146.83 268.69,149.89 268.76,150.96 UR4.13
  Bottom w0.15: 264.63,123.72 264.64,123.74 v1(266.43,123.74) ; 264.63,123.72 264.88,123.72 ; 264.63,123.72 263.61,123.65 262.43,123.65 261.02,123.64 259.8,123.58 249.41,123.93 249.18,123.7 v1(249.18,122.92) 248.3,123.43 246.32,123.63 243.83,123.52 240.57,123.6 236.31,123.67 231.15,123.84 229.58,123.84 227.72,122.96 220.52,118.37 218.09,116.89 214.08,114.69 212.47,114.07 211.69,113.79 211.09,113.66 209.88,113.52 208.15,113.34 206.38,113.21 203.94,113.15 185.66,112.99 184.11,113.4 183.26,113.56 182.01,114.22 181.15,114.52 179.84,115.1 178.84,115.56 177.76,116.1 176.36,116.79 175.08,117.36 173.72,117.94 172.63,118.33 171.01,118.94 169.1,119.7 166.75,120.39 165.17,120.81 163.71,121.15 162.21,121.36 160.69,121.62 159.38,121.77 157.39,122.06 155.69,122.49 152.87,123.58 v1(152.28,124.32) ; UN3.2 232.31,186.47 232.73,186.12 233.19,185.87 233.99,185.64 235.34,185.43 237.57,185.36 238.04,185.36 239.67,185.41 243.64,185.44 244.06,185.45 244.84,185.5 246.48,185.95 247.77,186.27 248.67,186.53 v1(250.14,187.11)
R1p6: length 41.5
  Bottom w0.15: US2.3 193.08,129.45 192.1,130.18 191.59,130.33 189.8,130.38 188.68,130.39 187.58,130.4 185.38,130.69 183.11,131.36 180.78,132.69 179.44,133.59 177.23,135.85 176.4,136.56 174.94,138.01 174.34,138.69 173.36,139.84 171.78,141.71 170.65,143.14 167.84,146.25 166.42,146.77 164.55,146.84 163.1,146.75 162.45,146.64 161.94,146.34 161.49,145.79 UR1.6
R1p7: length 44.3
  Bottom w0.15: US2.5 198.51,127 197.37,126.32 195.74,126.3 190.83,126.33 189.07,126.34 186.75,126.41 185.55,126.51 182.55,127.06 179.87,129.9 179.72,129.9 178.14,131.94 176.74,133.66 174.02,137.05 172.95,138.38 170.09,141.5 168.72,142.16 167.4,142.29 165.14,142.37 164.02,143.28 UR1.7
R2p9: length 21.1
  Top w0.15: 206.44,167.82 v1(206.32,167.97) 206.72,167.54 206.86,166.61 207.09,165.48 207.43,164.34 207.79,163.29 207.47,159.61 206.75,157.13 206.6,156.11 206.38,155.46 UR2.9
  Bottom w0.15: UP2.9 203.97,168.51 204.52,167.71 206.02,167.31 v1(206.32,167.97)
R3p1: length 49.6
  Bottom w0.15: UR3.1 229.54,145.08 229.55,145.39 230.43,146.12 231.64,147.13 232.79,147.61 234.12,148.12 249.51,148.19 251.01,148.29 252.31,148.36 253.62,148.43 257.5,148.69 261.05,148.76 263.69,149.2 265.37,149.77 267.79,150.48 269.4,150.51 270.65,150.49 274.26,150.48 275.09,150.94 275.4,151.01 UR4.10
R3p4: length 44.6
  Bottom w0.15: UR3.4 237.25,145.72 237.89,146.33 238.88,146.82 239.93,146.89 246.42,146.97 247.94,147 252.42,147.11 254.36,147.14 256.29,147.21 256.81,147.29 260.3,147.54 263.36,148.02 266.45,148.97 268.2,149.43 271.92,149.41 273.36,149.32 274.98,149.36 276.47,149.91 UR4.9
R3p9: length 20.3
  Bottom w0.15: 255.49,152.11 253.49,151.73 252.3,151.44 251.21,151.19 249.96,150.85 249.14,150.69 245.75,150.56 244.56,150.51 243.08,150.74 UR3.9 ; 255.46,152.11 256.19,152.19 257.17,152.21 259.95,152.33 UR4.16
R3p12: length 31.5
  Bottom w0.15: UR3.12 235.94,150.52 239.06,149.69 243.38,149.36 247.26,149.39 252.45,150.01 256.46,150.09 257.49,150.07 261.53,150.08 263.06,150.49 UR4.15
R4p2: length 39.9
  Bottom w0.15: 292.82,150.48 295.92,150.5 297.12,150.53 297.57,150.53 298.66,150.47 299.14,150.48 299.52,150.61 299.68,150.76 299.94,151.01 300.09,151.16 300.14,151.17 UR5.13 ; 292.82,150.48 287.62,150.25 284.55,150.11 283.66,149.93 281.25,149.56 279.88,149.32 277.83,148.95 276.48,148.6 274.67,148.33 273.22,148.36 268.53,148.21 267.42,147.97 266.42,147.62 265.1,147.08 264.37,145.69 UR4.2 ; 292.82,150.48 292.84,150.48
R4p3: length 42.5
  Bottom w0.15: UR5.11 305.53,151 305.39,150.65 303.34,149.75 302.38,149.64 300.28,149.43 298.79,149.4 296.91,149.36 296.15,149.33 294.54,149.29 293.08,149.26 291.13,149.3 290.03,149.24 288.87,149.21 285.07,148.95 283.43,148.78 282.32,148.55 279.62,148.25 277.98,147.83 275.69,147.32 274.71,147.19 268.91,147.26 267.48,146.5 266.84,145.66 UR4.3
R4p6: length 42.4
  Bottom w0.15: UR4.6 275.07,143.13 275.44,142.8 276.9,142.23 278.85,142.25 280.57,142.58 282.4,143.44 284.97,145.25 286.13,145.86 288.05,146.57 289.52,146.95 290.36,147.16 291.81,147.2 292.62,147.21 303.76,147.22 304.95,147.2 305.42,147.21 306.29,147.2 308.57,147.46 309.4,147.98 309.85,148.41 310.14,149.04 310,149.79 309.93,150.06 309.64,150.63 309.55,150.88 UR5.10
R4p7: length 37.8
  Top w0.15: UR5.12 303.51,151.67 304.26,150.92 304.67,150.67 304.98,150.42 305.54,150.28 306.25,150.01 306.98,150.02 307.49,150.04 v1(307.49,150.01) 307.51,150.01 307.58,149.94
  Bottom w0.15: UR4.7 277.22,145.67 277.58,146.19 278.28,146.69 279.2,147.15 282.07,147.73 283.68,147.71 285.28,147.9 286.68,148.14 288.25,148.2 292.12,148.35 299.63,148.29 301.7,148.4 303.08,148.46 304.64,148.74 305.71,149.25 306.45,149.64 v1(307.49,150.01)
R6p12: length 62.5
  Top w0.15: UR6.12 348.66,149.58 349.19,148.88 349.51,148.22 350.37,147.2 350.67,146.49 350.75,146.49 351.61,145.27 352.35,144.06 UR6.5 ; v1(335.56,141.83) 335.61,141.41 335.73,140.29 335.82,139.87 335.92,139.11 336.12,137.76 336.05,137.98 336.22,136.41 336.22,118.12 335.82,114.19 335.82,111.71 335.73,110.32 v1(335.34,108.3) ; v1(335.34,108.3) 335.34,108.14 ; v1(335.34,108.3) 335.34,108.48
  Bottom w0.15: v1(335.56,141.83) 336.34,141.85 337.3,141.49 338.82,141.2 340.87,140.8 341.77,140.72 345.4,140.6 346.43,140.6 347.12,140.61 347.7,140.61 350.74,140.6 351.25,140.82 352.16,141.28 352.57,141.8 UR6.5
R6p13: length 97.7
  Top w0.15: 332.96,167.52 332.86,166.75 332.74,166.47 332.47,164.89 332.4,164.35 332.23,163.29 332.18,161.81 332.18,157.69 332.33,156.49 332.56,152.79 332.84,151.53 332.97,148.47 v1(332.97,148.47)
  Bottom w0.15: UR6.13 345.47,150.11 343.89,148.8 342.37,148.41 341.27,148.38 339.31,148.44 338.81,148.46 v1(332.97,148.47) ; 332.67,167.57 v1(332.7,167.52) 331.79,167.64 331.41,167.55 330.58,167.76 329.12,168.03 328.06,168.6 327.05,168.86 326.05,169.49 325.13,169.98 324.83,170.15 324.4,170.63 323.32,171.43 322.61,171.95 321.43,172.84 320.05,173.5 319.25,173.62 318.07,173.75 316.13,173.83 315.6,173.85 313.98,173.85 312.47,173.91 303.16,174.06 300.74,174.06 300.6,174.2 291.45,174.2 286.49,174.42 285.06,174.16 283.69,173.97 281.41,173.53 280.51,173.63 274.85,173.41 274.06,173.13 273.04,172.4 271.63,170.89 UP4.12
